# KiCad board SparkFun_Pro_Mini-ESP32_panelized.kicad_pcb (continued)
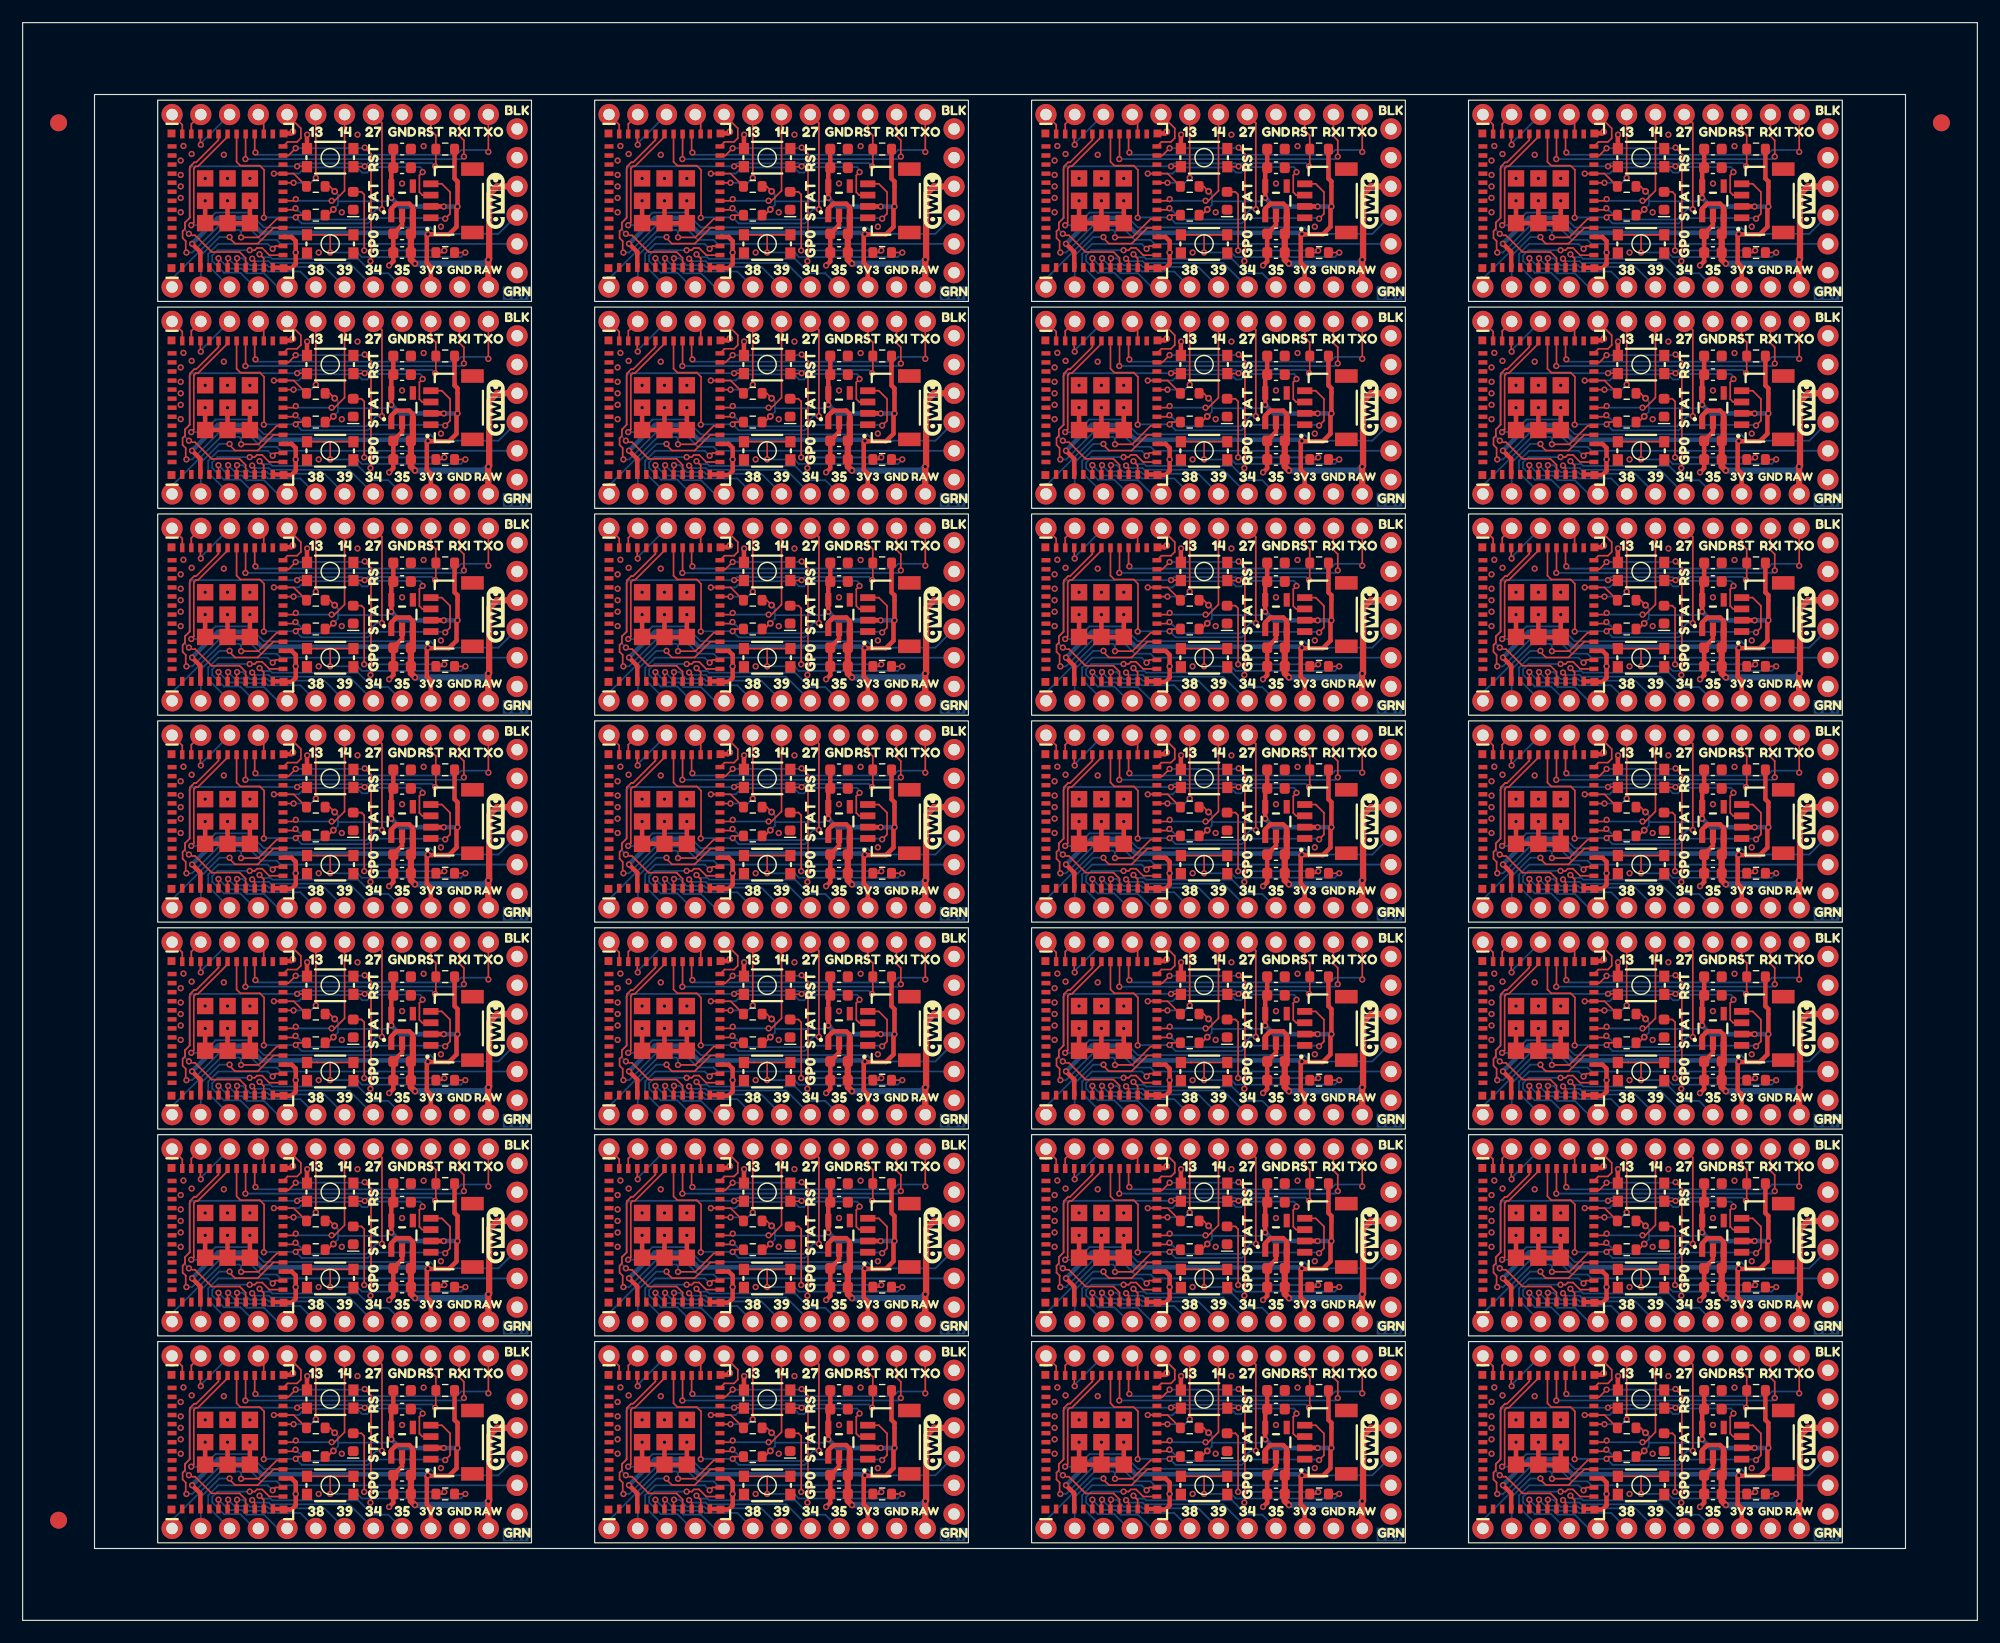
[diagram p0: board, top side]
## Routing (per net, layer and track width the routed paths; a pad name or vN(x,y) marks a point on that pad's centre or on a via; arc(x,y) is an arc through that point) (continued)
ESP_27A: length 511.5
  Top w0.152: U1#24.17 23.97,69.78 v2(24.11,69.92) ; v2(139.91,15.08) 139.77,14.94 U1#26.17 ; v2(108.94,88.11) 108.94,95.72 J3#10.8 ; v2(139.91,33.36) 139.77,33.22 U1#27.17 ; U1#3.17 139.77,88.06 v2(139.91,88.2) ; v2(101.31,69.92) 101.17,69.78 U1#10.17 ; J3#12.8 31.74,77.44 v2(31.74,69.83) ; J3#27.8 31.74,40.88 v2(31.74,33.27) ; J3#25.8 31.74,22.6 v2(31.74,14.99) ; v2(101.31,106.48) 101.17,106.34 U1#11.17 ; J3#23.8 108.94,77.44 v2(108.94,69.83) ; v2(62.71,88.2) 62.57,88.06 U1#16.17 ; v2(24.11,88.2) 23.97,88.06 U1#25.17 ; J3#15.8 108.94,22.6 v2(108.94,14.99) ; U1#9.17 139.77,124.62 v2(139.91,124.76) ; v2(70.34,124.67) 70.34,132.28 J3#21.8 ; v2(62.71,51.64) 62.57,51.5 U1#20.17 ; J3#5.8 70.34,59.16 v2(70.34,51.55) ; v2(62.71,124.76) 62.57,124.62 U1#23.17 ; v2(108.94,124.67) 108.94,132.28 J3#2.8 ; v2(24.11,51.64) 23.97,51.5 U1#28.17 ; J3#14.8 31.74,95.72 v2(31.74,88.11) ; J3#9.8 147.54,40.88 v2(147.54,33.27) ; v2(24.11,33.36) 23.97,33.22 U1#2.17 ; U1#15.17 62.57,69.78 v2(62.71,69.92) ; v2(31.74,51.55) 31.74,59.16 J3#18.8 ; v2(147.54,69.83) 147.54,77.44 J3#3.8 ; U1#17.17 62.57,33.22 v2(62.71,33.36) ; v2(101.31,124.76) 101.17,124.62 U1#14.17 ; v2(139.91,106.48) 139.77,106.34 U1#19.17 ; v2(139.91,69.92) 139.77,69.78 U1#12.17 ; J3#7.8 147.54,132.28 v2(147.54,124.67) ; v2(147.54,51.55) 147.54,59.16 J3#6.8 ; J3#24.8 147.54,95.72 v2(147.54,88.11) ; v2(147.54,106.39) 147.54,114 J3#11.8 ; U1#8.17 101.17,33.22 v2(101.31,33.36) ; J3#22.8 31.74,132.28 v2(31.74,124.67) ; v2(101.31,88.2) 101.17,88.06 U1#13.17 ; v2(70.34,14.99) 70.34,22.6 J3#17.8 ; J3#16.8 70.34,95.72 v2(70.34,88.11) ; v2(147.54,14.99) 147.54,22.6 J3#28.8 ; v2(70.34,69.83) 70.34,77.44 J3#4.8 ; v2(108.94,51.55) 108.94,59.16 J3#8.8 ; U1#7.17 139.77,51.5 v2(139.91,51.64) ; v2(108.94,106.39) 108.94,114 J3#26.8 ; v2(70.34,33.27) 70.34,40.88 J3.8 ; J3#13.8 70.34,114 v2(70.34,106.39) ; U1#5.17 101.17,51.5 v2(101.31,51.64) ; v2(31.74,106.39) 31.74,114 J3#19.8 ; U1#22.17 101.17,14.94 v2(101.31,15.08) ; J3#20.8 108.94,40.88 v2(108.94,33.27) ; v2(62.71,15.08) 62.57,14.94 U1#4.17 ; U1#18.17 23.97,124.62 v2(24.11,124.76) ; U1.17 23.97,14.94 v2(24.11,15.08) ; v2(62.71,106.48) 62.57,106.34 U1#21.17 ; v2(24.11,106.48) 23.97,106.34 U1#6.17
  Bottom w0.152: v2(62.71,33.36) 62.94,33.13 62.98,33.13 63.73,32.37 68.96,32.37 69.85,33.27 v2(70.34,33.27) ; v2(139.91,106.48) 140.14,106.25 140.18,106.25 140.93,105.49 146.16,105.49 147.05,106.39 v2(147.54,106.39) ; v2(101.31,15.08) 101.54,14.85 101.58,14.85 102.33,14.09 107.56,14.09 108.45,14.99 v2(108.94,14.99) ; v2(31.74,33.27) 31.25,33.27 30.36,32.37 25.13,32.37 24.38,33.13 24.34,33.13 v2(24.11,33.36) ; v2(147.54,69.83) 147.05,69.83 146.16,68.93 140.93,68.93 140.18,69.69 140.14,69.69 v2(139.91,69.92) ; v2(24.11,88.2) 24.34,87.97 24.38,87.97 25.13,87.21 30.36,87.21 31.25,88.11 v2(31.74,88.11) ; v2(24.11,51.64) 24.34,51.41 24.38,51.41 25.13,50.65 30.36,50.65 31.25,51.55 v2(31.74,51.55) ; v2(101.31,33.36) 101.54,33.13 101.58,33.13 102.33,32.37 107.56,32.37 108.45,33.27 v2(108.94,33.27) ; v2(139.91,124.76) 140.14,124.53 140.18,124.53 140.93,123.77 146.16,123.77 147.05,124.67 v2(147.54,124.67) ; v2(31.74,69.83) 31.25,69.83 30.36,68.93 25.13,68.93 24.38,69.69 24.34,69.69 v2(24.11,69.92) ; v2(147.54,33.27) 147.05,33.27 146.16,32.37 140.93,32.37 140.18,33.13 140.14,33.13 v2(139.91,33.36) ; v2(108.94,124.67) 108.45,124.67 107.56,123.77 102.33,123.77 101.58,124.53 101.54,124.53 v2(101.31,124.76) ; v2(70.34,69.83) 69.85,69.83 68.96,68.93 63.73,68.93 62.98,69.69 62.94,69.69 v2(62.71,69.92) ; v2(108.94,51.55) 108.45,51.55 107.56,50.65 102.33,50.65 101.58,51.41 101.54,51.41 v2(101.31,51.64) ; v2(62.71,124.76) 62.94,124.53 62.98,124.53 63.73,123.77 68.96,123.77 69.85,124.67 v2(70.34,124.67) ; v2(24.11,124.76) 24.34,124.53 24.38,124.53 25.13,123.77 30.36,123.77 31.25,124.67 v2(31.74,124.67) ; v2(147.54,51.55) 147.05,51.55 146.16,50.65 140.93,50.65 140.18,51.41 140.14,51.41 v2(139.91,51.64) ; v2(62.71,15.08) 62.94,14.85 62.98,14.85 63.73,14.09 68.96,14.09 69.85,14.99 v2(70.34,14.99) ; v2(147.54,88.11) 147.05,88.11 146.16,87.21 140.93,87.21 140.18,87.97 140.14,87.97 v2(139.91,88.2) ; v2(147.54,14.99) 147.05,14.99 146.16,14.09 140.93,14.09 140.18,14.85 140.14,14.85 v2(139.91,15.08) ; v2(70.34,51.55) 69.85,51.55 68.96,50.65 63.73,50.65 62.98,51.41 62.94,51.41 v2(62.71,51.64) ; v2(31.74,14.99) 31.25,14.99 30.36,14.09 25.13,14.09 24.38,14.85 24.34,14.85 v2(24.11,15.08) ; v2(62.71,88.2) 62.94,87.97 62.98,87.97 63.73,87.21 68.96,87.21 69.85,88.11 v2(70.34,88.11) ; v2(24.11,106.48) 24.34,106.25 24.38,106.25 25.13,105.49 30.36,105.49 31.25,106.39 v2(31.74,106.39) ; v2(108.94,88.11) 108.45,88.11 107.56,87.21 102.33,87.21 101.58,87.97 101.54,87.97 v2(101.31,88.2) ; v2(108.94,69.83) 108.45,69.83 107.56,68.93 102.33,68.93 101.58,69.69 101.54,69.69 v2(101.31,69.92) ; v2(108.94,106.39) 108.45,106.39 107.56,105.49 102.33,105.49 101.58,106.25 101.54,106.25 v2(101.31,106.48) ; v2(70.34,106.39) 69.85,106.39 68.96,105.49 63.73,105.49 62.98,106.25 62.94,106.25 v2(62.71,106.48)
ESP_32A: length 344.5
  Top w0.152: U1#23.12 60.39,120.62 59.76,121.25 59.3,121.25 59.1,121.05 v2(58.66,121.05) ; v2(20.06,84.49) 20.5,84.49 20.7,84.69 21.16,84.69 21.79,84.06 U1#25.12 ; v2(20.06,11.37) 20.5,11.37 20.7,11.57 21.16,11.57 21.79,10.94 U1.12 ; U1#21.12 60.39,102.34 59.76,102.97 59.3,102.97 59.1,102.77 v2(58.66,102.77) ; v2(58.66,11.37) 59.1,11.37 59.3,11.57 59.76,11.57 60.39,10.94 U1#4.12 ; v2(135.86,102.77) 136.3,102.77 136.5,102.97 136.96,102.97 137.59,102.34 U1#19.12 ; U1#18.12 21.79,120.62 21.16,121.25 20.7,121.25 20.5,121.05 v2(20.06,121.05) ; v2(135.86,11.37) 136.3,11.37 136.5,11.57 136.96,11.57 137.59,10.94 U1#26.12 ; U1#27.12 137.59,29.22 136.96,29.85 136.5,29.85 136.3,29.65 v2(135.86,29.65) ; U1#13.12 98.99,84.06 98.36,84.69 97.9,84.69 97.7,84.49 v2(97.26,84.49) ; v2(20.06,102.77) 20.5,102.77 20.7,102.97 21.16,102.97 21.79,102.34 U1#6.12 ; v2(135.86,84.49) 136.3,84.49 136.5,84.69 136.96,84.69 137.59,84.06 U1#3.12 ; U1#22.12 98.99,10.94 98.36,11.57 97.9,11.57 97.7,11.37 v2(97.26,11.37) ; U1#12.12 137.59,65.78 136.96,66.41 136.5,66.41 136.3,66.21 v2(135.86,66.21) ; U1#24.12 21.79,65.78 21.16,66.41 20.7,66.41 20.5,66.21 v2(20.06,66.21) ; v2(58.66,66.21) 59.1,66.21 59.3,66.41 59.76,66.41 60.39,65.78 U1#15.12 ; v2(58.66,47.93) 59.1,47.93 59.3,48.13 59.76,48.13 60.39,47.5 U1#20.12 ; U1#9.12 137.59,120.62 136.96,121.25 136.5,121.25 136.3,121.05 v2(135.86,121.05) ; v2(97.26,121.05) 97.7,121.05 97.9,121.25 98.36,121.25 98.99,120.62 U1#14.12 ; U1#2.12 21.79,29.22 21.16,29.85 20.7,29.85 20.5,29.65 v2(20.06,29.65) ; v2(58.66,29.65) 59.1,29.65 59.3,29.85 59.76,29.85 60.39,29.22 U1#17.12 ; U1#10.12 98.99,65.78 98.36,66.41 97.9,66.41 97.7,66.21 v2(97.26,66.21) ; v2(20.06,47.93) 20.5,47.93 20.7,48.13 21.16,48.13 21.79,47.5 U1#28.12 ; v2(97.26,29.65) 97.7,29.65 97.9,29.85 98.36,29.85 98.99,29.22 U1#8.12 ; v2(135.86,47.93) 136.3,47.93 136.5,48.13 136.96,48.13 137.59,47.5 U1#7.12 ; v2(58.66,84.49) 59.1,84.49 59.3,84.69 59.76,84.69 60.39,84.06 U1#16.12 ; U1#5.12 98.99,47.5 98.36,48.13 97.9,48.13 97.7,47.93 v2(97.26,47.93) ; U1#11.12 98.99,102.34 98.36,102.97 97.9,102.97 97.7,102.77 v2(97.26,102.77)
  Bottom w0.152: v2(135.86,47.93) 133.02,47.93 132.54,47.46 132.54,46.98 133.58,45.94 135.04,45.94 136.3,44.68 J2#13.4 ; v2(20.06,102.77) 17.22,102.77 16.74,102.3 16.74,101.82 17.78,100.78 19.24,100.78 20.5,99.52 J2#7.4 ; J2#4.4 59.1,117.8 57.84,119.06 56.38,119.06 55.34,120.1 55.34,120.58 55.82,121.05 v2(58.66,121.05) ; v2(20.06,29.65) 17.22,29.65 16.74,29.18 16.74,28.7 17.78,27.66 19.24,27.66 20.5,26.4 J2#15.4 ; J2#5.4 97.7,8.12 96.44,9.38 94.98,9.38 93.94,10.42 93.94,10.9 94.42,11.37 v2(97.26,11.37) ; J2#8.4 59.1,8.12 57.84,9.38 56.38,9.38 55.34,10.42 55.34,10.9 55.82,11.37 v2(58.66,11.37) ; J2#23.4 59.1,44.68 57.84,45.94 56.38,45.94 55.34,46.98 55.34,47.46 55.82,47.93 v2(58.66,47.93) ; v2(135.86,11.37) 133.02,11.37 132.54,10.9 132.54,10.42 133.58,9.38 135.04,9.38 136.3,8.12 J2#10.4 ; v2(20.06,11.37) 17.22,11.37 16.74,10.9 16.74,10.42 17.78,9.38 19.24,9.38 20.5,8.12 J2#20.4 ; v2(20.06,84.49) 17.22,84.49 16.74,84.02 16.74,83.54 17.78,82.5 19.24,82.5 20.5,81.24 J2#11.4 ; v2(58.66,102.77) 55.82,102.77 55.34,102.3 55.34,101.82 56.38,100.78 57.84,100.78 59.1,99.52 J2#19.4 ; v2(135.86,66.21) 133.02,66.21 132.54,65.74 132.54,65.26 133.58,64.22 135.04,64.22 136.3,62.96 J2#3.4 ; J2#18.4 97.7,44.68 96.44,45.94 94.98,45.94 93.94,46.98 93.94,47.46 94.42,47.93 v2(97.26,47.93) ; v2(135.86,29.65) 133.02,29.65 132.54,29.18 132.54,28.7 133.58,27.66 135.04,27.66 136.3,26.4 J2#12.4 ; v2(20.06,47.93) 17.22,47.93 16.74,47.46 16.74,46.98 17.78,45.94 19.24,45.94 20.5,44.68 J2#9.4 ; v2(20.06,66.21) 17.22,66.21 16.74,65.74 16.74,65.26 17.78,64.22 19.24,64.22 20.5,62.96 J2#22.4 ; J2#27.4 136.3,99.52 135.04,100.78 133.58,100.78 132.54,101.82 132.54,102.3 133.02,102.77 v2(135.86,102.77) ; J2#21.4 59.1,81.24 57.84,82.5 56.38,82.5 55.34,83.54 55.34,84.02 55.82,84.49 v2(58.66,84.49) ; J2#28.4 136.3,81.24 135.04,82.5 133.58,82.5 132.54,83.54 132.54,84.02 133.02,84.49 v2(135.86,84.49) ; v2(20.06,121.05) 17.22,121.05 16.74,120.58 16.74,120.1 17.78,119.06 19.24,119.06 20.5,117.8 J2#6.4 ; v2(97.26,121.05) 94.42,121.05 93.94,120.58 93.94,120.1 94.98,119.06 96.44,119.06 97.7,117.8 J2#17.4 ; J2.4 97.7,26.4 96.44,27.66 94.98,27.66 93.94,28.7 93.94,29.18 94.42,29.65 v2(97.26,29.65) ; v2(58.66,29.65) 55.82,29.65 55.34,29.18 55.34,28.7 56.38,27.66 57.84,27.66 59.1,26.4 J2#2.4 ; v2(97.26,84.49) 94.42,84.49 93.94,84.02 93.94,83.54 94.98,82.5 96.44,82.5 97.7,81.24 J2#16.4 ; v2(97.26,102.77) 94.42,102.77 93.94,102.3 93.94,101.82 94.98,100.78 96.44,100.78 97.7,99.52 J2#24.4 ; J2#14.4 97.7,62.96 96.44,64.22 94.98,64.22 93.94,65.26 93.94,65.74 94.42,66.21 v2(97.26,66.21) ; v2(58.66,66.21) 55.82,66.21 55.34,65.74 55.34,65.26 56.38,64.22 57.84,64.22 59.1,62.96 J2#25.4 ; J2#26.4 136.3,117.8 135.04,119.06 133.58,119.06 132.54,120.1 132.54,120.58 133.02,121.05 v2(135.86,121.05)
ESP_33A: length 307
  Top w0.152: v2(137.89,84.62) 138.13,84.86 U1#3.13 ; U1#2.13 22.33,30.02 v2(22.09,29.78) ; v2(99.29,29.78) 99.53,30.02 U1#8.13 ; U1#7.13 138.13,48.3 v2(137.89,48.06) ; U1#25.13 22.33,84.86 v2(22.09,84.62) ; v2(137.89,121.18) 138.13,121.42 U1#9.13 ; U1#20.13 60.93,48.3 v2(60.69,48.06) ; U1#16.13 60.93,84.86 v2(60.69,84.62) ; v2(60.69,29.78) 60.93,30.02 U1#17.13 ; U1#14.13 99.53,121.42 v2(99.29,121.18) ; U1#10.13 99.53,66.58 v2(99.29,66.34) ; U1#12.13 138.13,66.58 v2(137.89,66.34) ; U1#23.13 60.93,121.42 v2(60.69,121.18) ; U1#28.13 22.33,48.3 v2(22.09,48.06) ; v2(99.29,11.5) 99.53,11.74 U1#22.13 ; v2(137.89,11.5) 138.13,11.74 U1#26.13 ; v2(99.29,102.9) 99.53,103.14 U1#11.13 ; v2(60.69,11.5) 60.93,11.74 U1#4.13 ; U1.13 22.33,11.74 v2(22.09,11.5) ; U1#24.13 22.33,66.58 v2(22.09,66.34) ; U1#27.13 138.13,30.02 v2(137.89,29.78) ; U1#18.13 22.33,121.42 v2(22.09,121.18) ; U1#15.13 60.93,66.58 v2(60.69,66.34) ; U1#13.13 99.53,84.86 v2(99.29,84.62) ; U1#6.13 22.33,103.14 v2(22.09,102.9) ; v2(60.69,102.9) 60.93,103.14 U1#21.13 ; U1#5.13 99.53,48.3 v2(99.29,48.06) ; v2(137.89,102.9) 138.13,103.14 U1#19.13
  Bottom w0.152: v2(137.89,29.78) 137.46,30.21 133.07,30.21 132.19,29.33 132.19,28.29 J2#12.3 ; v2(22.09,84.62) 21.66,85.05 17.27,85.05 16.39,84.17 16.39,83.13 J2#11.3 ; v2(60.69,29.78) 60.26,30.21 55.87,30.21 54.99,29.33 54.99,28.29 J2#2.3 ; v2(60.69,102.9) 60.26,103.33 55.87,103.33 54.99,102.45 54.99,101.41 J2#19.3 ; v2(60.69,121.18) 60.26,121.61 55.87,121.61 54.99,120.73 54.99,119.69 J2#4.3 ; v2(137.89,121.18) 137.46,121.61 133.07,121.61 132.19,120.73 132.19,119.69 J2#26.3 ; J2#23.3 54.99,46.57 54.99,47.61 55.87,48.49 60.26,48.49 v2(60.69,48.06) ; v2(22.09,66.34) 21.66,66.77 17.27,66.77 16.39,65.89 16.39,64.85 J2#22.3 ; J2#28.3 132.19,83.13 132.19,84.17 133.07,85.05 137.46,85.05 v2(137.89,84.62) ; J2#9.3 16.39,46.57 16.39,47.61 17.27,48.49 21.66,48.49 v2(22.09,48.06) ; J2#14.3 93.59,64.85 93.59,65.89 94.47,66.77 98.86,66.77 v2(99.29,66.34) ; v2(99.29,29.78) 98.86,30.21 94.47,30.21 93.59,29.33 93.59,28.29 J2.3 ; v2(137.89,11.5) 137.46,11.93 133.07,11.93 132.19,11.05 132.19,10.01 J2#10.3 ; v2(137.89,102.9) 137.46,103.33 133.07,103.33 132.19,102.45 132.19,101.41 J2#27.3 ; v2(22.09,121.18) 21.66,121.61 17.27,121.61 16.39,120.73 16.39,119.69 J2#6.3 ; v2(22.09,29.78) 21.66,30.21 17.27,30.21 16.39,29.33 16.39,28.29 J2#15.3 ; J2#24.3 93.59,101.41 93.59,102.45 94.47,103.33 98.86,103.33 v2(99.29,102.9) ; J2#3.3 132.19,64.85 132.19,65.89 133.07,66.77 137.46,66.77 v2(137.89,66.34) ; J2#25.3 54.99,64.85 54.99,65.89 55.87,66.77 60.26,66.77 v2(60.69,66.34) ; J2#17.3 93.59,119.69 93.59,120.73 94.47,121.61 98.86,121.61 v2(99.29,121.18) ; J2#18.3 93.59,46.57 93.59,47.61 94.47,48.49 98.86,48.49 v2(99.29,48.06) ; v2(137.89,48.06) 137.46,48.49 133.07,48.49 132.19,47.61 132.19,46.57 J2#13.3 ; v2(22.09,102.9) 21.66,103.33 17.27,103.33 16.39,102.45 16.39,101.41 J2#7.3 ; J2#8.3 54.99,10.01 54.99,11.05 55.87,11.93 60.26,11.93 v2(60.69,11.5) ; J2#16.3 93.59,83.13 93.59,84.17 94.47,85.05 98.86,85.05 v2(99.29,84.62) ; v2(99.29,11.5) 98.86,11.93 94.47,11.93 93.59,11.05 93.59,10.01 J2#5.3 ; v2(22.09,11.5) 21.66,11.93 17.27,11.93 16.39,11.05 16.39,10.01 J2#20.3 ; J2#21.3 54.99,83.13 54.99,84.17 55.87,85.05 60.26,85.05 v2(60.69,84.62)
ESP_34A: length 353.2
  Top w0.152: U1#26.9 136.3,10.4 v2(136.08,10.62) ; v2(20.28,83.74) 20.5,83.52 U1#25.9 ; v2(58.88,10.62) 59.1,10.4 U1#4.9 ; v2(97.48,28.9) 97.7,28.68 U1#8.9 ; v2(97.48,65.46) 97.7,65.24 U1#10.9 ; U1#11.9 97.7,101.8 v2(97.48,102.02) ; U1#2.9 20.5,28.68 v2(20.28,28.9) ; U1#3.9 136.3,83.52 v2(136.08,83.74) ; U1#17.9 59.1,28.68 v2(58.88,28.9) ; U1#19.9 136.3,101.8 v2(136.08,102.02) ; v2(97.48,83.74) 97.7,83.52 U1#13.9 ; U1#21.9 59.1,101.8 v2(58.88,102.02) ; U1#24.9 20.5,65.24 v2(20.28,65.46) ; U1#5.9 97.7,46.96 v2(97.48,47.18) ; U1#27.9 136.3,28.68 v2(136.08,28.9) ; v2(97.48,10.62) 97.7,10.4 U1#22.9 ; v2(136.08,120.3) 136.3,120.08 U1#9.9 ; v2(97.48,120.3) 97.7,120.08 U1#14.9 ; U1#23.9 59.1,120.08 v2(58.88,120.3) ; U1#15.9 59.1,65.24 v2(58.88,65.46) ; U1#16.9 59.1,83.52 v2(58.88,83.74) ; v2(136.08,65.46) 136.3,65.24 U1#12.9 ; v2(20.28,10.62) 20.5,10.4 U1.9 ; v2(136.08,47.18) 136.3,46.96 U1#7.9 ; U1#6.9 20.5,101.8 v2(20.28,102.02) ; U1#20.9 59.1,46.96 v2(58.88,47.18) ; v2(20.28,120.3) 20.5,120.08 U1#18.9 ; U1#28.9 20.5,46.96 v2(20.28,47.18)
  Bottom w0.152: v2(97.48,83.74) 97.69,83.53 98.95,83.53 99.1,83.37 106.05,83.37 J2#16.8 ; J2#10.8 144.65,10.25 137.7,10.25 137.55,10.41 136.29,10.41 v2(136.08,10.62) ; J2#9.8 28.85,46.81 21.9,46.81 21.75,46.97 20.49,46.97 v2(20.28,47.18) ; v2(20.28,10.62) 20.49,10.41 21.75,10.41 21.9,10.25 28.85,10.25 J2#20.8 ; J2#14.8 106.05,65.09 99.1,65.09 98.95,65.25 97.69,65.25 v2(97.48,65.46) ; v2(136.08,102.02) 136.29,101.81 137.55,101.81 137.7,101.65 144.65,101.65 J2#27.8 ; v2(136.08,47.18) 136.29,46.97 137.55,46.97 137.7,46.81 144.65,46.81 J2#13.8 ; v2(20.28,28.9) 20.49,28.69 21.75,28.69 21.9,28.53 28.85,28.53 J2#15.8 ; J2#11.8 28.85,83.37 21.9,83.37 21.75,83.53 20.49,83.53 v2(20.28,83.74) ; v2(58.88,120.3) 59.09,120.09 60.35,120.09 60.5,119.93 67.45,119.93 J2#4.8 ; J2#17.8 106.05,119.93 99.1,119.93 98.95,120.09 97.69,120.09 v2(97.48,120.3) ; J2#26.8 144.65,119.93 137.7,119.93 137.55,120.09 136.29,120.09 v2(136.08,120.3) ; J2#19.8 67.45,101.65 60.5,101.65 60.35,101.81 59.09,101.81 v2(58.88,102.02) ; v2(20.28,120.3) 20.49,120.09 21.75,120.09 21.9,119.93 28.85,119.93 J2#6.8 ; J2#5.8 106.05,10.25 99.1,10.25 98.95,10.41 97.69,10.41 v2(97.48,10.62) ; J2#24.8 106.05,101.65 99.1,101.65 98.95,101.81 97.69,101.81 v2(97.48,102.02) ; J2#12.8 144.65,28.53 137.7,28.53 137.55,28.69 136.29,28.69 v2(136.08,28.9) ; J2#8.8 67.45,10.25 60.5,10.25 60.35,10.41 59.09,10.41 v2(58.88,10.62) ; v2(58.88,83.74) 59.09,83.53 60.35,83.53 60.5,83.37 67.45,83.37 J2#21.8 ; J2.8 106.05,28.53 99.1,28.53 98.95,28.69 97.69,28.69 v2(97.48,28.9) ; v2(58.88,28.9) 59.09,28.69 60.35,28.69 60.5,28.53 67.45,28.53 J2#2.8 ; v2(136.08,83.74) 136.29,83.53 137.55,83.53 137.7,83.37 144.65,83.37 J2#28.8 ; J2#23.8 67.45,46.81 60.5,46.81 60.35,46.97 59.09,46.97 v2(58.88,47.18) ; v2(20.28,102.02) 20.49,101.81 21.75,101.81 21.9,101.65 28.85,101.65 J2#7.8 ; J2#22.8 28.85,65.09 21.9,65.09 21.75,65.25 20.49,65.25 v2(20.28,65.46) ; J2#18.8 106.05,46.81 99.1,46.81 98.95,46.97 97.69,46.97 v2(97.48,47.18) ; v2(136.08,65.46) 136.29,65.25 137.55,65.25 137.7,65.09 144.65,65.09 J2#3.8 ; J2#25.8 67.45,65.09 60.5,65.09 60.35,65.25 59.09,65.25 v2(58.88,65.46)
ESP_35A: length 423.2
  Top w0.152: v2(98.13,29.29) 98.5,28.92 U1#8.10 ; v2(136.73,102.41) 137.1,102.04 U1#19.10 ; U1#20.10 59.9,47.2 v2(59.53,47.57) ; U1#9.10 137.1,120.32 v2(136.73,120.69) ; U1#2.10 21.3,28.92 v2(20.93,29.29) ; v2(98.13,65.85) 98.5,65.48 U1#10.10 ; U1#3.10 137.1,83.76 v2(136.73,84.13) ; v2(20.93,84.13) 21.3,83.76 U1#25.10 ; v2(59.53,102.41) 59.9,102.04 U1#21.10 ; U1#27.10 137.1,28.92 v2(136.73,29.29) ; v2(98.13,47.57) 98.5,47.2 U1#5.10 ; U1#28.10 21.3,47.2 v2(20.93,47.57) ; U1#6.10 21.3,102.04 v2(20.93,102.41) ; U1#18.10 21.3,120.32 v2(20.93,120.69) ; v2(98.13,11.01) 98.5,10.64 U1#22.10 ; v2(20.93,65.85) 21.3,65.48 U1#24.10 ; U1#15.10 59.9,65.48 v2(59.53,65.85) ; U1#12.10 137.1,65.48 v2(136.73,65.85) ; U1#16.10 59.9,83.76 v2(59.53,84.13) ; U1#4.10 59.9,10.64 v2(59.53,11.01) ; v2(136.73,47.57) 137.1,47.2 U1#7.10 ; U1#17.10 59.9,28.92 v2(59.53,29.29) ; U1#14.10 98.5,120.32 v2(98.13,120.69) ; v2(136.73,11.01) 137.1,10.64 U1#26.10 ; v2(59.53,120.69) 59.9,120.32 U1#23.10 ; U1.10 21.3,10.64 v2(20.93,11.01) ; U1#13.10 98.5,83.76 v2(98.13,84.13) ; v2(98.13,102.41) 98.5,102.04 U1#11.10
  Bottom w0.152: J2#8.9 70.9,9.34 69.5,9.34 68.24,10.6 60.65,10.6 60.49,10.76 59.78,10.76 v2(59.53,11.01) ; v2(98.13,102.41) 98.38,102.16 99.09,102.16 99.25,102 106.84,102 108.1,100.74 109.5,100.74 J2#24.9 ; v2(20.93,65.85) 21.18,65.6 21.89,65.6 22.05,65.44 29.64,65.44 30.9,64.18 32.3,64.18 J2#22.9 ; J2#14.9 109.5,64.18 108.1,64.18 106.84,65.44 99.25,65.44 99.09,65.6 98.38,65.6 v2(98.13,65.85) ; J2#13.9 148.1,45.9 146.7,45.9 145.44,47.16 137.85,47.16 137.69,47.32 136.98,47.32 v2(136.73,47.57) ; v2(59.53,65.85) 59.78,65.6 60.49,65.6 60.65,65.44 68.24,65.44 69.5,64.18 70.9,64.18 J2#25.9 ; J2#3.9 148.1,64.18 146.7,64.18 145.44,65.44 137.85,65.44 137.69,65.6 136.98,65.6 v2(136.73,65.85) ; v2(59.53,47.57) 59.78,47.32 60.49,47.32 60.65,47.16 68.24,47.16 69.5,45.9 70.9,45.9 J2#23.9 ; J2#5.9 109.5,9.34 108.1,9.34 106.84,10.6 99.25,10.6 99.09,10.76 98.38,10.76 v2(98.13,11.01) ; J2#6.9 32.3,119.02 30.9,119.02 29.64,120.28 22.05,120.28 21.89,120.44 21.18,120.44 v2(20.93,120.69) ; v2(98.13,47.57) 98.38,47.32 99.09,47.32 99.25,47.16 106.84,47.16 108.1,45.9 109.5,45.9 J2#18.9 ; J2#4.9 70.9,119.02 69.5,119.02 68.24,120.28 60.65,120.28 60.49,120.44 59.78,120.44 v2(59.53,120.69) ; v2(136.73,120.69) 136.98,120.44 137.69,120.44 137.85,120.28 145.44,120.28 146.7,119.02 148.1,119.02 J2#26.9 ; J2#9.9 32.3,45.9 30.9,45.9 29.64,47.16 22.05,47.16 21.89,47.32 21.18,47.32 v2(20.93,47.57) ; v2(136.73,84.13) 136.98,83.88 137.69,83.88 137.85,83.72 145.44,83.72 146.7,82.46 148.1,82.46 J2#28.9 ; J2#11.9 32.3,82.46 30.9,82.46 29.64,83.72 22.05,83.72 21.89,83.88 21.18,83.88 v2(20.93,84.13) ; J2#19.9 70.9,100.74 69.5,100.74 68.24,102 60.65,102 60.49,102.16 59.78,102.16 v2(59.53,102.41) ; J2#17.9 109.5,119.02 108.1,119.02 106.84,120.28 99.25,120.28 99.09,120.44 98.38,120.44 v2(98.13,120.69) ; v2(136.73,11.01) 136.98,10.76 137.69,10.76 137.85,10.6 145.44,10.6 146.7,9.34 148.1,9.34 J2#10.9 ; J2#20.9 32.3,9.34 30.9,9.34 29.64,10.6 22.05,10.6 21.89,10.76 21.18,10.76 v2(20.93,11.01) ; v2(20.93,29.29) 21.18,29.04 21.89,29.04 22.05,28.88 29.64,28.88 30.9,27.62 32.3,27.62 J2#15.9 ; J2.9 109.5,27.62 108.1,27.62 106.84,28.88 99.25,28.88 99.09,29.04 98.38,29.04 v2(98.13,29.29) ; v2(136.73,29.29) 136.98,29.04 137.69,29.04 137.85,28.88 145.44,28.88 146.7,27.62 148.1,27.62 J2#12.9 ; J2#21.9 70.9,82.46 69.5,82.46 68.24,83.72 60.65,83.72 60.49,83.88 59.78,83.88 v2(59.53,84.13) ; v2(136.73,102.41) 136.98,102.16 137.69,102.16 137.85,102 145.44,102 146.7,100.74 148.1,100.74 J2#27.9 ; v2(20.93,102.41) 21.18,102.16 21.89,102.16 22.05,102 29.64,102 30.9,100.74 32.3,100.74 J2#7.9 ; v2(59.53,29.29) 59.78,29.04 60.49,29.04 60.65,28.88 68.24,28.88 69.5,27.62 70.9,27.62 J2#2.9 ; J2#16.9 109.5,82.46 108.1,82.46 106.84,83.72 99.25,83.72 99.09,83.88 98.38,83.88 v2(98.13,84.13)
ESP_37A: length 222.1
  Top w0.152: v2(133.1,120.34) U1#9.5 ; v2(17.3,83.78) U1#25.5 ; v2(94.5,83.78) U1#13.5 ; v2(55.9,47.22) U1#20.5 ; v2(17.3,102.06) U1#6.5 ; v2(133.1,10.66) U1#26.5 ; v2(94.5,47.22) U1#5.5 ; v2(133.1,83.78) U1#3.5 ; v2(133.1,47.22) U1#7.5 ; v2(17.3,47.22) U1#28.5 ; v2(94.5,120.34) U1#14.5 ; v2(55.9,83.78) U1#16.5 ; v2(17.3,28.94) U1#2.5 ; v2(94.5,65.5) U1#10.5 ; v2(55.9,102.06) U1#21.5 ; v2(55.9,120.34) U1#23.5 ; v2(55.9,65.5) U1#15.5 ; v2(94.5,28.94) U1#8.5 ; v2(133.1,65.5) U1#12.5 ; v2(17.3,120.34) U1#18.5 ; v2(17.3,10.66) U1.5 ; v2(133.1,28.94) U1#27.5 ; v2(94.5,102.06) U1#11.5 ; v2(94.5,10.66) U1#22.5 ; v2(55.9,28.94) U1#17.5 ; v2(133.1,102.06) U1#19.5 ; v2(17.3,65.5) U1#24.5 ; v2(55.9,10.66) U1#4.5
  Bottom w0.152: v2(94.5,83.78) 95.41,82.87 96.56,82.87 96.98,82.46 98.52,82.46 99.74,81.24 J2#16.5 ; v2(55.9,83.78) 56.81,82.87 57.96,82.87 58.38,82.46 59.92,82.46 61.14,81.24 J2#21.5 ; v2(133.1,47.22) 134.01,46.31 135.16,46.31 135.58,45.9 137.12,45.9 138.34,44.68 J2#13.5 ; J2#3.5 138.34,62.96 137.12,64.18 135.58,64.18 135.16,64.59 134.01,64.59 v2(133.1,65.5) ; J2#23.5 61.14,44.68 59.92,45.9 58.38,45.9 57.96,46.31 56.81,46.31 v2(55.9,47.22) ; v2(17.3,47.22) 18.21,46.31 19.36,46.31 19.78,45.9 21.32,45.9 22.54,44.68 J2#9.5 ; v2(17.3,65.5) 18.21,64.59 19.36,64.59 19.78,64.18 21.32,64.18 22.54,62.96 J2#22.5 ; J2#20.5 22.54,8.12 21.32,9.34 19.78,9.34 19.36,9.75 18.21,9.75 v2(17.3,10.66) ; v2(94.5,120.34) 95.41,119.43 96.56,119.43 96.98,119.02 98.52,119.02 99.74,117.8 J2#17.5 ; v2(17.3,28.94) 18.21,28.03 19.36,28.03 19.78,27.62 21.32,27.62 22.54,26.4 J2#15.5 ; J2#2.5 61.14,26.4 59.92,27.62 58.38,27.62 57.96,28.03 56.81,28.03 v2(55.9,28.94) ; v2(133.1,102.06) 134.01,101.15 135.16,101.15 135.58,100.74 137.12,100.74 138.34,99.52 J2#27.5 ; v2(17.3,120.34) 18.21,119.43 19.36,119.43 19.78,119.02 21.32,119.02 22.54,117.8 J2#6.5 ; v2(17.3,102.06) 18.21,101.15 19.36,101.15 19.78,100.74 21.32,100.74 22.54,99.52 J2#7.5 ; J2#8.5 61.14,8.12 59.92,9.34 58.38,9.34 57.96,9.75 56.81,9.75 v2(55.9,10.66) ; J2#4.5 61.14,117.8 59.92,119.02 58.38,119.02 57.96,119.43 56.81,119.43 v2(55.9,120.34) ; J2#14.5 99.74,62.96 98.52,64.18 96.98,64.18 96.56,64.59 95.41,64.59 v2(94.5,65.5) ; J2#5.5 99.74,8.12 98.52,9.34 96.98,9.34 96.56,9.75 95.41,9.75 v2(94.5,10.66) ; v2(55.9,65.5) 56.81,64.59 57.96,64.59 58.38,64.18 59.92,64.18 61.14,62.96 J2#25.5 ; J2#26.5 138.34,117.8 137.12,119.02 135.58,119.02 135.16,119.43 134.01,119.43 v2(133.1,120.34) ; v2(94.5,28.94) 95.41,28.03 96.56,28.03 96.98,27.62 98.52,27.62 99.74,26.4 J2.5 ; J2#12.5 138.34,26.4 137.12,27.62 135.58,27.62 135.16,28.03 134.01,28.03 v2(133.1,28.94) ; v2(133.1,10.66) 134.01,9.75 135.16,9.75 135.58,9.34 137.12,9.34 138.34,8.12 J2#10.5 ; v2(133.1,83.78) 134.01,82.87 135.16,82.87 135.58,82.46 137.12,82.46 138.34,81.24 J2#28.5 ; J2#19.5 61.14,99.52 59.92,100.74 58.38,100.74 57.96,101.15 56.81,101.15 v2(55.9,102.06) ; v2(94.5,102.06) 95.41,101.15 96.56,101.15 96.98,100.74 98.52,100.74 99.74,99.52 J2#24.5 ; J2#18.5 99.74,44.68 98.52,45.9 96.98,45.9 96.56,46.31 95.41,46.31 v2(94.5,47.22) ; J2#11.5 22.54,81.24 21.32,82.46 19.78,82.46 19.36,82.87 18.21,82.87 v2(17.3,83.78)
